# Altium PCB PowerAMP.PcbDoc (part 1 of 4)
Units mm, origin at the board's own origin, x right, y up, seen from the top; angles counter-clockwise.
Board outline 211.5 x 142.58 mm, 2 copper layers (Top Layer, Bottom Layer), stack 1.635 mm thick; 274 components, 177 nets, 874 pads, 679 vias.
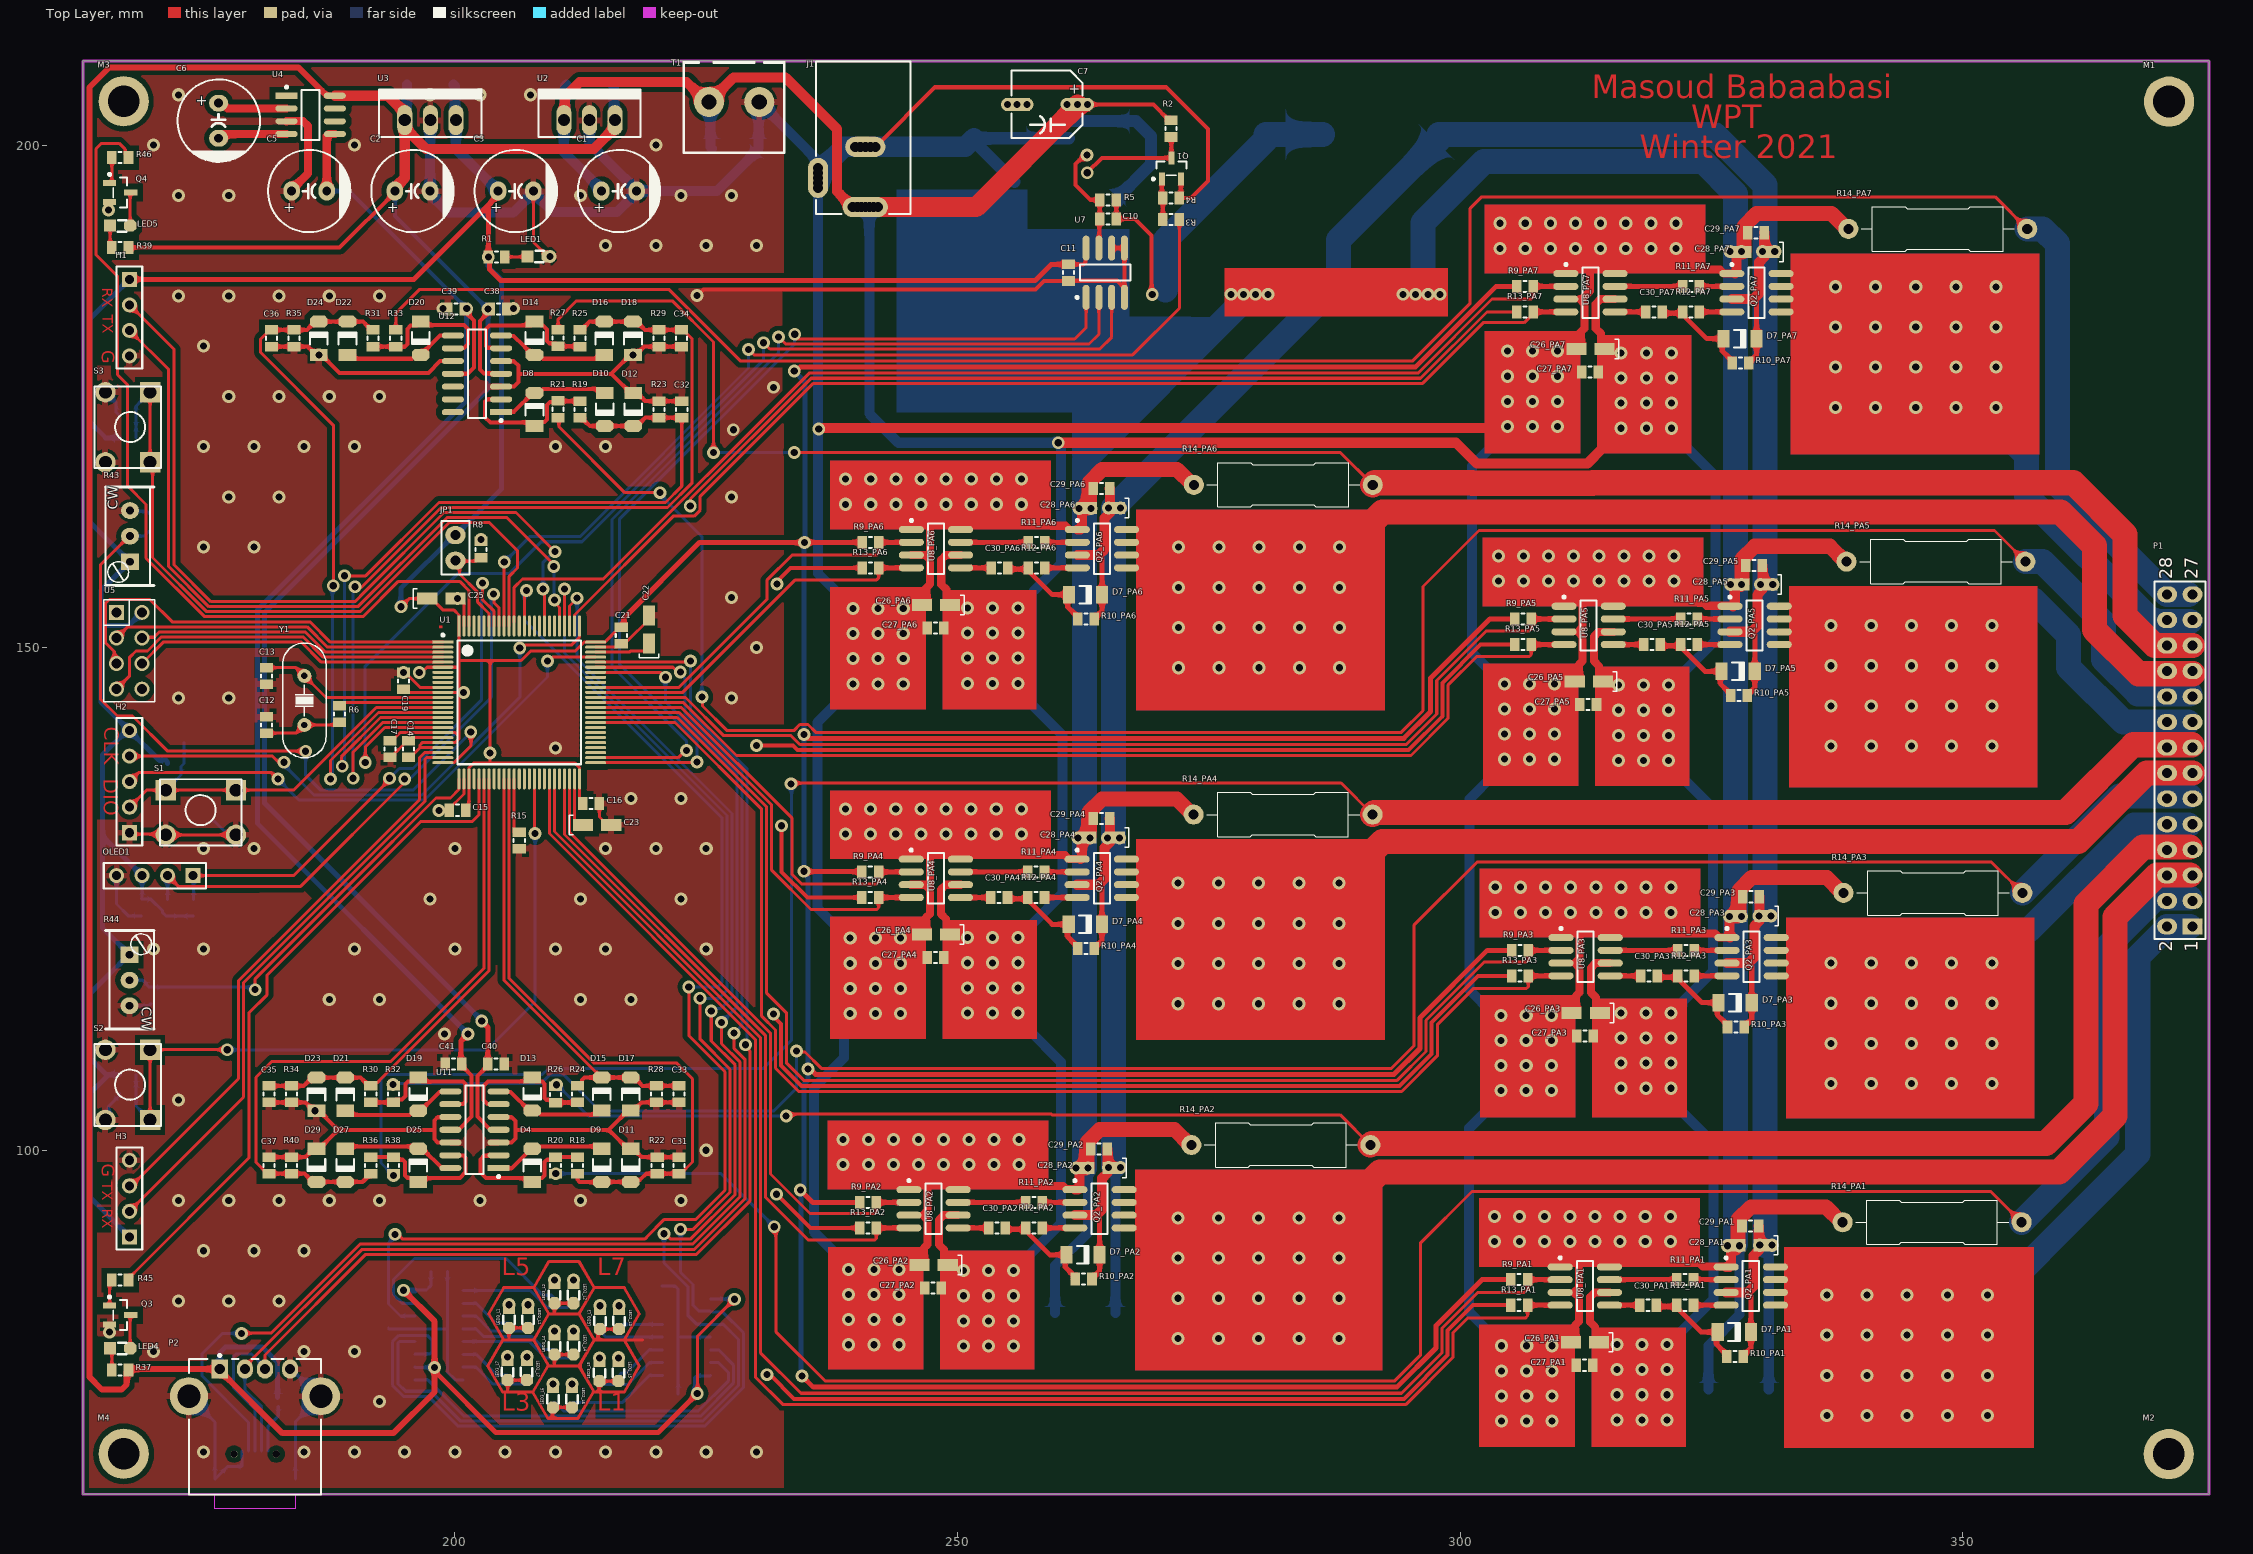
[diagram p0: Top Layer view]
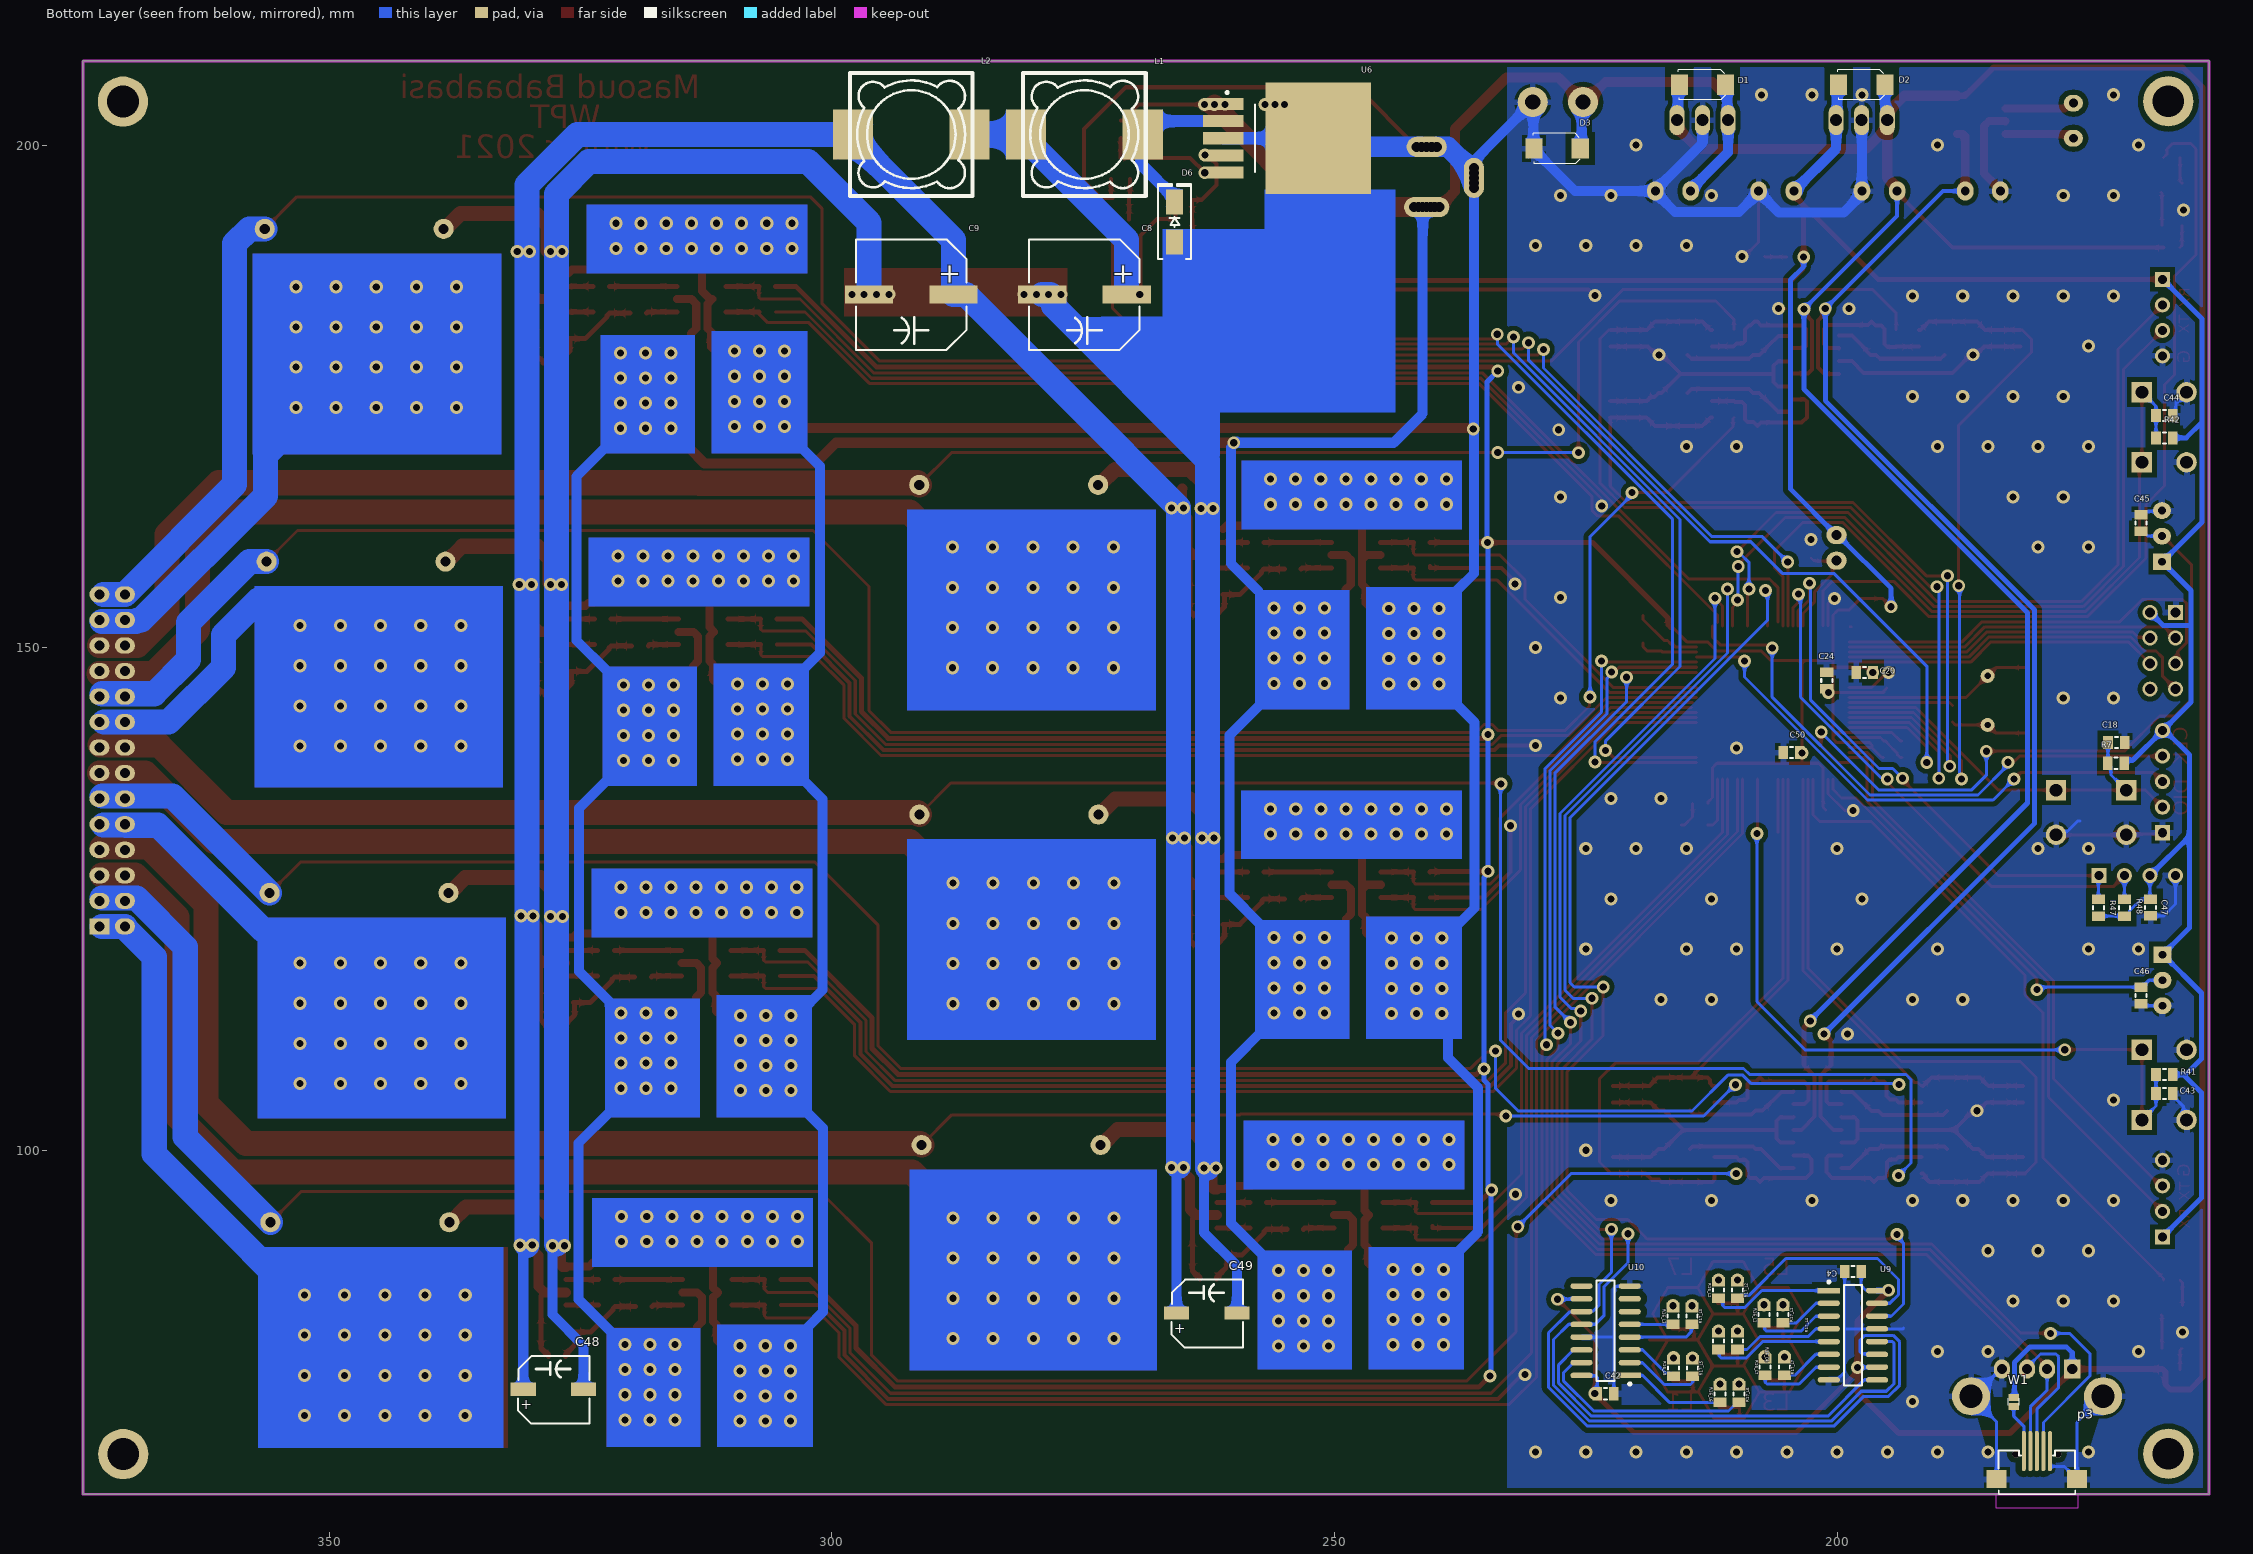
[diagram p1: Bottom Layer view, seen from below]
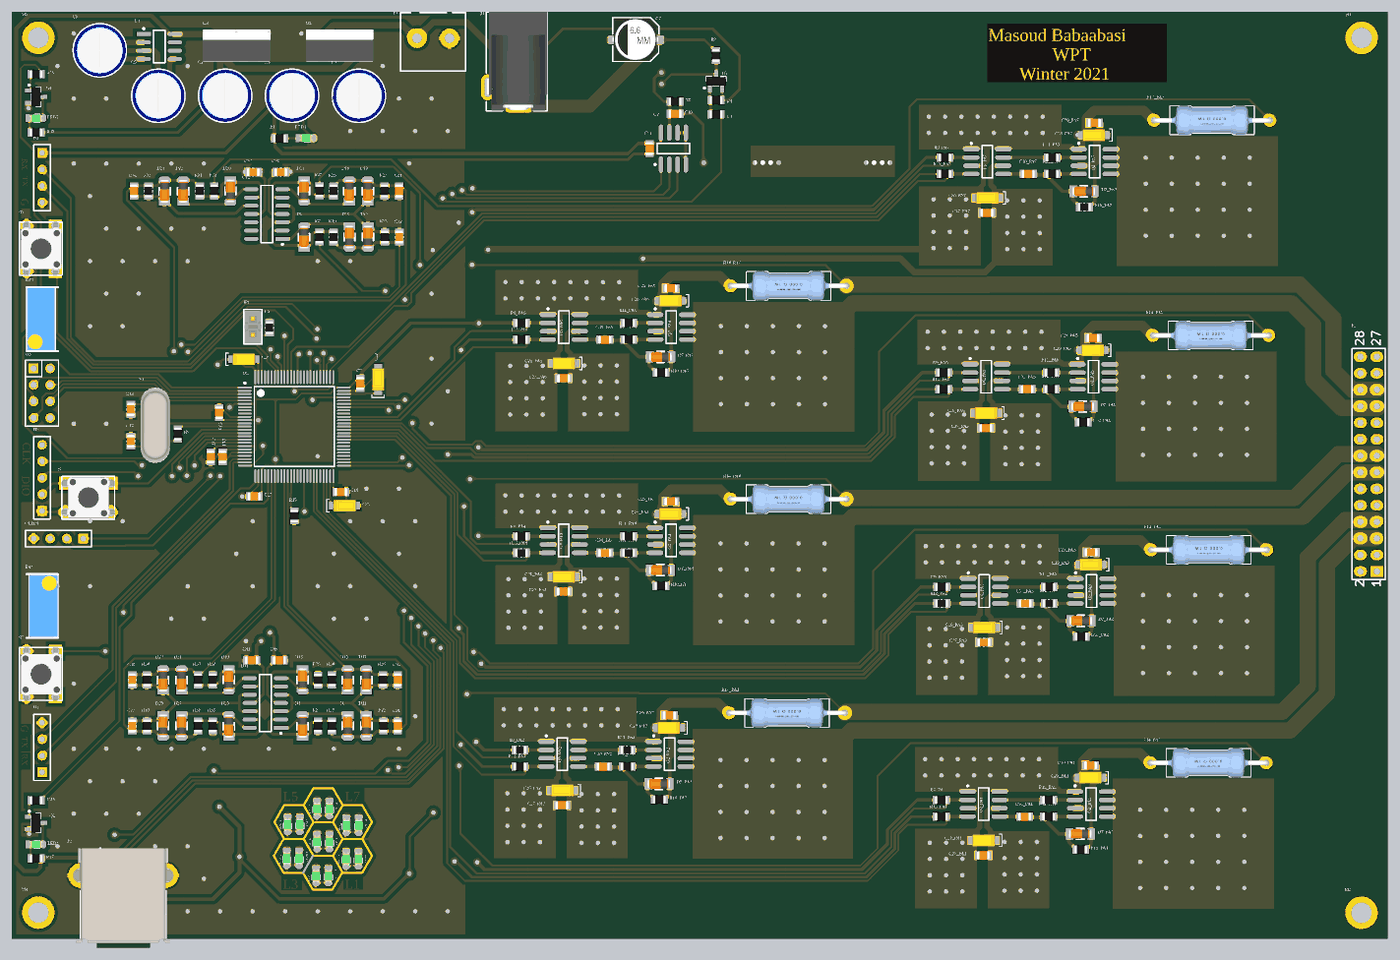
[diagram p5: 3D render of the assembled board from above, using the file's embedded part models]
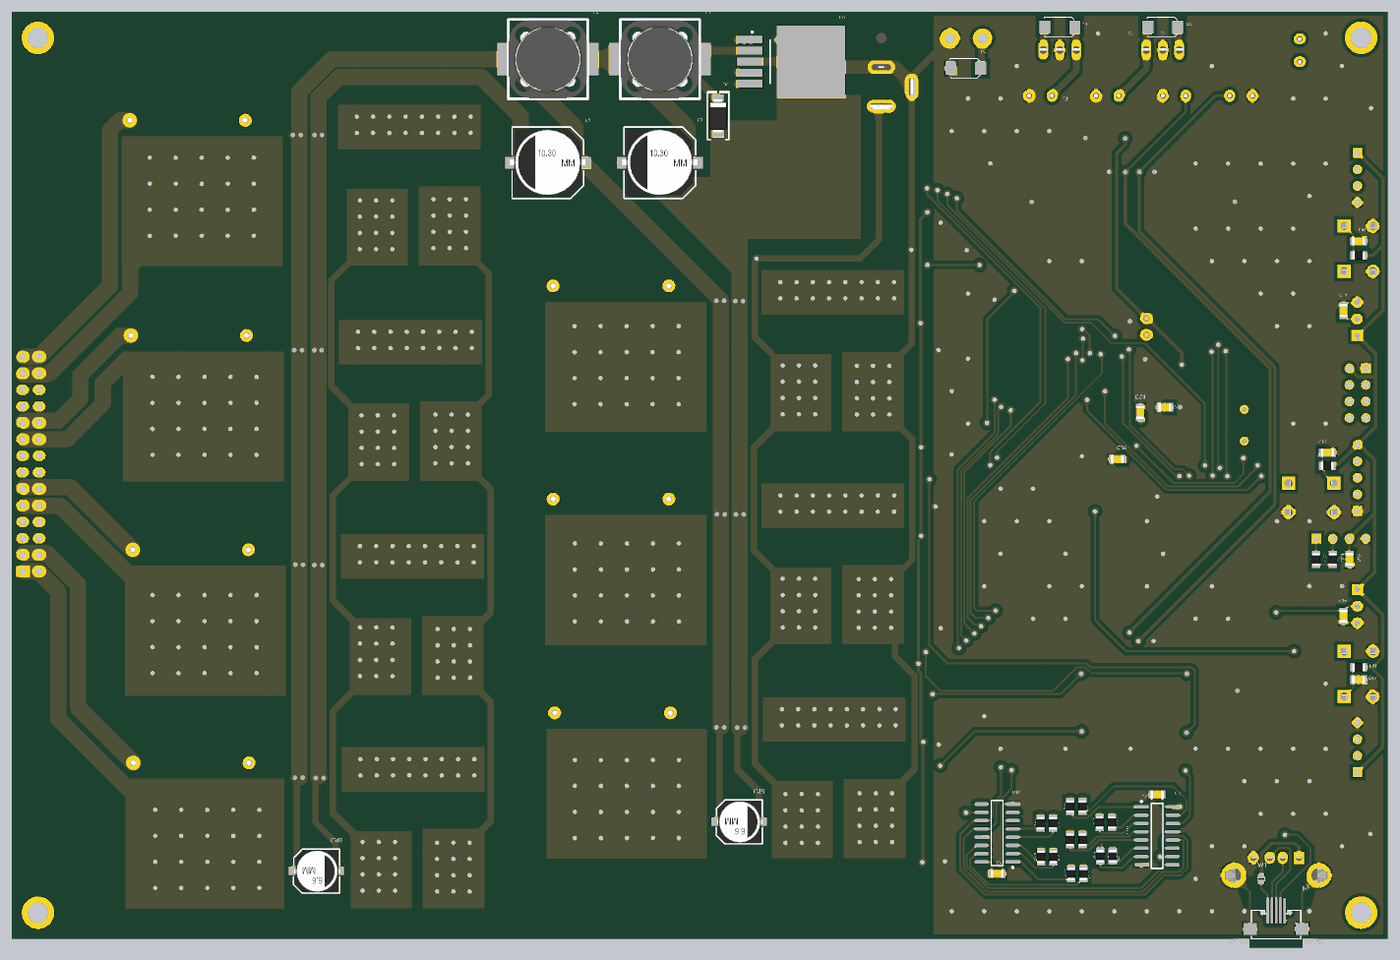
[diagram p6: 3D render of the assembled board from below, using the file's embedded part models]

## Layer stack, top to bottom
Top Solder: solder mask 0.0102, Solder Resist, Dk 3.5
Top Layer: signal copper 0.0175
Dielectric 1: dielectric 1.6, FR-4, Dk 4.8
Bottom Layer: signal copper 0.0175
Bottom Solder: solder mask 0.0102, Solder Resist, Dk 3.5

## Board outline
163,65.786 163,208.361 374.5,208.361 374.5,65.786

## Design rules (kind name [scope] priority, off if disabled: settings)
Clearance [All] p1: gap=0.2 ignorepadtopadclearanceinfootprint=TRUE except(0: SMDPad-Hole THPad-Hole Via-Hole Fill-Hole Poly-Hole Region-Hole Text-Hole; 0.3: Fill-Fill Fill-Poly Fill-Region Poly-Poly Poly-Region Region-Region; 0.5: Arc-Fill Arc-Poly Arc-Region Track-Fill Track-Poly Track-Region THPad-Fill THPad-Poly THPad-Region Via-Fill Via-Poly Via-Region; 0.6: SMDPad-Fill SMDPad-Poly SMDPad-Region)
PolygonConnect [All] p1: thpad.connectstyle=Relief thpad.reliefconductorwidth=0.6 thpad.reliefentries=4 thpad.polygonreliefangle="90 Angle" thpad.airgapwidth=0.3 smdpad.connectstyle=Relief smdpad.reliefconductorwidth=0.6 smdpad.reliefentries=4 smdpad.polygonreliefangle="90 Angle" smdpad.airgapwidth=0.3 via.connectstyle=Direct via.reliefconductorwidth=0.4 via.reliefentries=4 via.polygonreliefangle="45 Angle" via.airgapwidth=0.3
RoomDefinition PA6 [InComponentClass('PA6')] p1: confinementstyle=ConfineIn formatcopy=TRUE lockcomponents=FALSE outline 237.332,143.717 293.085,143.717 293.085,168.609 237.332,168.609
RoomDefinition L1 [InComponentClass('L1')] p2 off: confinementstyle=ConfineIn formatcopy=TRUE lockcomponents=FALSE outline 37.975,21.025 42.075,21.025 42.075,24.625 37.975,24.625
RoomDefinition L2 [InComponentClass('L2')] p3 off: confinementstyle=ConfineIn formatcopy=TRUE lockcomponents=FALSE outline 33.45,18.575 37.55,18.575 37.55,22.175 33.45,22.175
RoomDefinition L3 [InComponentClass('L3')] p4 off: confinementstyle=ConfineIn formatcopy=TRUE lockcomponents=FALSE outline 28.925,21.15 33.025,21.15 33.025,24.75 28.925,24.75
RoomDefinition L4 [InComponentClass('L4')] p5 off: confinementstyle=ConfineIn formatcopy=TRUE lockcomponents=FALSE outline 33.45,23.675 37.55,23.675 37.55,27.275 33.45,27.275
RoomDefinition L5 [InComponentClass('L5')] p6 off: confinementstyle=ConfineIn formatcopy=TRUE lockcomponents=FALSE outline 28.975,26.325 33.075,26.325 33.075,29.925 28.975,29.925
RoomDefinition L6 [InComponentClass('L6')] p7 off: confinementstyle=ConfineIn formatcopy=TRUE lockcomponents=FALSE outline 33.6,28.925 37.7,28.925 37.7,32.525 33.6,32.525
RoomDefinition L7 [InComponentClass('L7')] p8 off: confinementstyle=ConfineIn formatcopy=TRUE lockcomponents=FALSE outline 38.1,26.225 42.2,26.225 42.2,29.825 38.1,29.825
RoomDefinition PA2 [InComponentClass('PA2')] p9: confinementstyle=ConfineIn formatcopy=TRUE lockcomponents=FALSE outline 237.09,78.043 292.843,78.043 292.843,102.935 237.09,102.935
RoomDefinition U_power [InComponentClass('U_power')] p10 off: confinementstyle=ConfineIn formatcopy=TRUE lockcomponents=FALSE outline 17.636,39.5 103.6,39.5 103.6,65.089 17.636,65.089
RoomDefinition U_PA_group [InComponentClass('U_PA_group')] p11 off: confinementstyle=ConfineIn formatcopy=TRUE lockcomponents=FALSE outline 18.622,153.3 101.875,153.3 101.875,182.825 18.622,182.825
RoomDefinition U_micro [InComponentClass('U_micro')] p12 off: confinementstyle=ConfineIn formatcopy=TRUE lockcomponents=FALSE outline 17.145,127.711 101.45,127.711 101.45,149.047 17.145,149.047
RoomDefinition U_accesory [InComponentClass('U_accesory')] p13 off: confinementstyle=ConfineIn formatcopy=TRUE lockcomponents=FALSE outline 16.129,94.564 100.35,94.564 100.35,126.695 16.129,126.695
RoomDefinition Rect [InComponentClass('Rect')] p14 off: confinementstyle=ConfineIn formatcopy=TRUE lockcomponents=FALSE outline 16.893,68.825 102.75,68.825 102.75,92.925 16.893,92.925
RoomDefinition PA7 [InComponentClass('PA7')] p15: confinementstyle=ConfineIn formatcopy=TRUE lockcomponents=FALSE outline 302.443,169.176 358.196,169.176 358.196,194.068 302.443,194.068
RoomDefinition PA5 [InComponentClass('PA5')] p16: confinementstyle=ConfineIn formatcopy=TRUE lockcomponents=FALSE outline 302.262,136.085 358.015,136.085 358.015,160.977 302.262,160.977
RoomDefinition PA4 [InComponentClass('PA4')] p17: confinementstyle=ConfineIn formatcopy=TRUE lockcomponents=FALSE outline 237.318,110.92 293.071,110.92 293.071,135.812 237.318,135.812
RoomDefinition PA3 [InComponentClass('PA3')] p18: confinementstyle=ConfineIn formatcopy=TRUE lockcomponents=FALSE outline 301.961,103.121 357.714,103.121 357.714,128.013 301.961,128.013
RoomDefinition PA1 [InComponentClass('PA1')] p19: confinementstyle=ConfineIn formatcopy=TRUE lockcomponents=FALSE outline 301.88,70.358 357.633,70.358 357.633,95.25 301.88,95.25
RoutingVias [All] p1: holewidth=0.7 width=1.2 viastyle="Through Hole" minholewidth=0.5 minwidth=1 maxholewidth=1 maxwidth=1.5
SolderMaskExpansion [All] p1: expansion=0.102 istentingtop=FALSE
Width [InNetClass('Power')] p1: maxlimit=2.5 minlimit=0.254 preferedwidth=0.5 minimp=50.000000 maximp=50.000000 favimp=50.000000
30 further rules are at their usual default settings.

## Classes and differential pairs
net class Power: +3v3
channel class led_PA: L1 L2 L3 L4 L5 L6 L7
component class L7: LED2_L7 LED3_L7 R16_L7 R17_L7
component class L6: LED2_L6 LED3_L6 R16_L6 R17_L6
component class L5: LED2_L5 LED3_L5 R16_L5 R17_L5
component class L4: LED2_L4 LED3_L4 R16_L4 R17_L4
component class L3: LED2_L3 LED3_L3 R16_L3 R17_L3
component class L2: LED2_L2 LED3_L2 R16_L2 R17_L2
component class L1: LED2_L1 LED3_L1 R16_L1 R17_L1
component class U_accesory: C43 C44 C45 C46 C47 H1 H3 LED4 LED5 OLED1 P2 p3 Q3 Q4 R37 R39 R41 R42 R43 R44 R45 R46 R47 R48 S2 S3 U5 W1
net class PB[1..2]: PB1 PB2
net class LED[1..2]: LED1 LED2
net class DAC[1..2]: DAC1
net class clk[1..8]: clk1 clk2 clk3 clk4 clk5 clk6 clk7 clk8
net class ADC[1..11]: ADC1 ADC2 ADC3 ADC4 ADC5 ADC6 ADC7 ADC10 ADC11
component class U_power: C1 C2 C3 C5 C6 C7 C8 C9 C10 C11 D1 D2 D3 D6 J1 L1 L2 LED1 M1 M2 M3 M4 Q1 R1 R2 R3 R4 R5 T1 U2 U3 U4 U6 U7
component class U_micro: C12 C13 C14 C15 C16 C17 C18 C19 C20 C21 C22 C23 C24 C25 C50 H2 JP1 R6 R7 R8 R15 S1 U1 Y1
net class clk_p[1..7]: clk_p1 clk_p2 clk_p3 clk_p4 clk_p5 clk_p6 clk_p7
component class Rect: C31 C32 C33 C34 C35 C36 C37 C38 C39 C40 C41 D4 D8 D9 D10 D11 D12 D13 D14 D15 D16 D17 D18 D19 D20 D21 D22 D23 D24 D25 D27 D29 R18 R19 R20 R21 R22 R23 R24 R25 R26 R27 R28 R29 R30 R31 R32 R33 R34 R35 R36 R38 R40 U11 U12
net class R_led[1..7]: R_led1 R_led2 R_led3 R_led4 R_led5 R_led6 R_led7
net class G_led[1..7]: G_led1 G_led2 G_led3 G_led4 G_led5 G_led6 G_led7
net class coilL[1..7]: coilL1 coilL2 coilL3 coilL4 coilL5 coilL6 coilL7
net class coilH[1..7]: coilH1 coilH2 coilH3 coilH4 coilH5 coilH6 coilH7
component class U_PA_group: C4 C42 C48 C49 P1 U9 U10
channel class PA_classD: PA1 PA2 PA3 PA4 PA5 PA6 PA7
component class PA7: C26_PA7 C27_PA7 C28_PA7 C29_PA7 C30_PA7 D7_PA7 Q2_PA7 R9_PA7 R10_PA7 R11_PA7 R12_PA7 R13_PA7 R14_PA7 U8_PA7
component class PA6: C26_PA6 C27_PA6 C28_PA6 C29_PA6 C30_PA6 D7_PA6 Q2_PA6 R9_PA6 R10_PA6 R11_PA6 R12_PA6 R13_PA6 R14_PA6 U8_PA6
component class PA5: C26_PA5 C27_PA5 C28_PA5 C29_PA5 C30_PA5 D7_PA5 Q2_PA5 R9_PA5 R10_PA5 R11_PA5 R12_PA5 R13_PA5 R14_PA5 U8_PA5
component class PA4: C26_PA4 C27_PA4 C28_PA4 C29_PA4 C30_PA4 D7_PA4 Q2_PA4 R9_PA4 R10_PA4 R11_PA4 R12_PA4 R13_PA4 R14_PA4 U8_PA4
component class PA3: C26_PA3 C27_PA3 C28_PA3 C29_PA3 C30_PA3 D7_PA3 Q2_PA3 R9_PA3 R10_PA3 R11_PA3 R12_PA3 R13_PA3 R14_PA3 U8_PA3
component class PA2: C26_PA2 C27_PA2 C28_PA2 C29_PA2 C30_PA2 D7_PA2 Q2_PA2 R9_PA2 R10_PA2 R11_PA2 R12_PA2 R13_PA2 R14_PA2 U8_PA2
component class PA1: C26_PA1 C27_PA1 C28_PA1 C29_PA1 C30_PA1 D7_PA1 Q2_PA1 R9_PA1 R10_PA1 R11_PA1 R12_PA1 R13_PA1 R14_PA1 U8_PA1
